# Altium PCB paste1.PcbDoc (part 1 of 3) (continued)
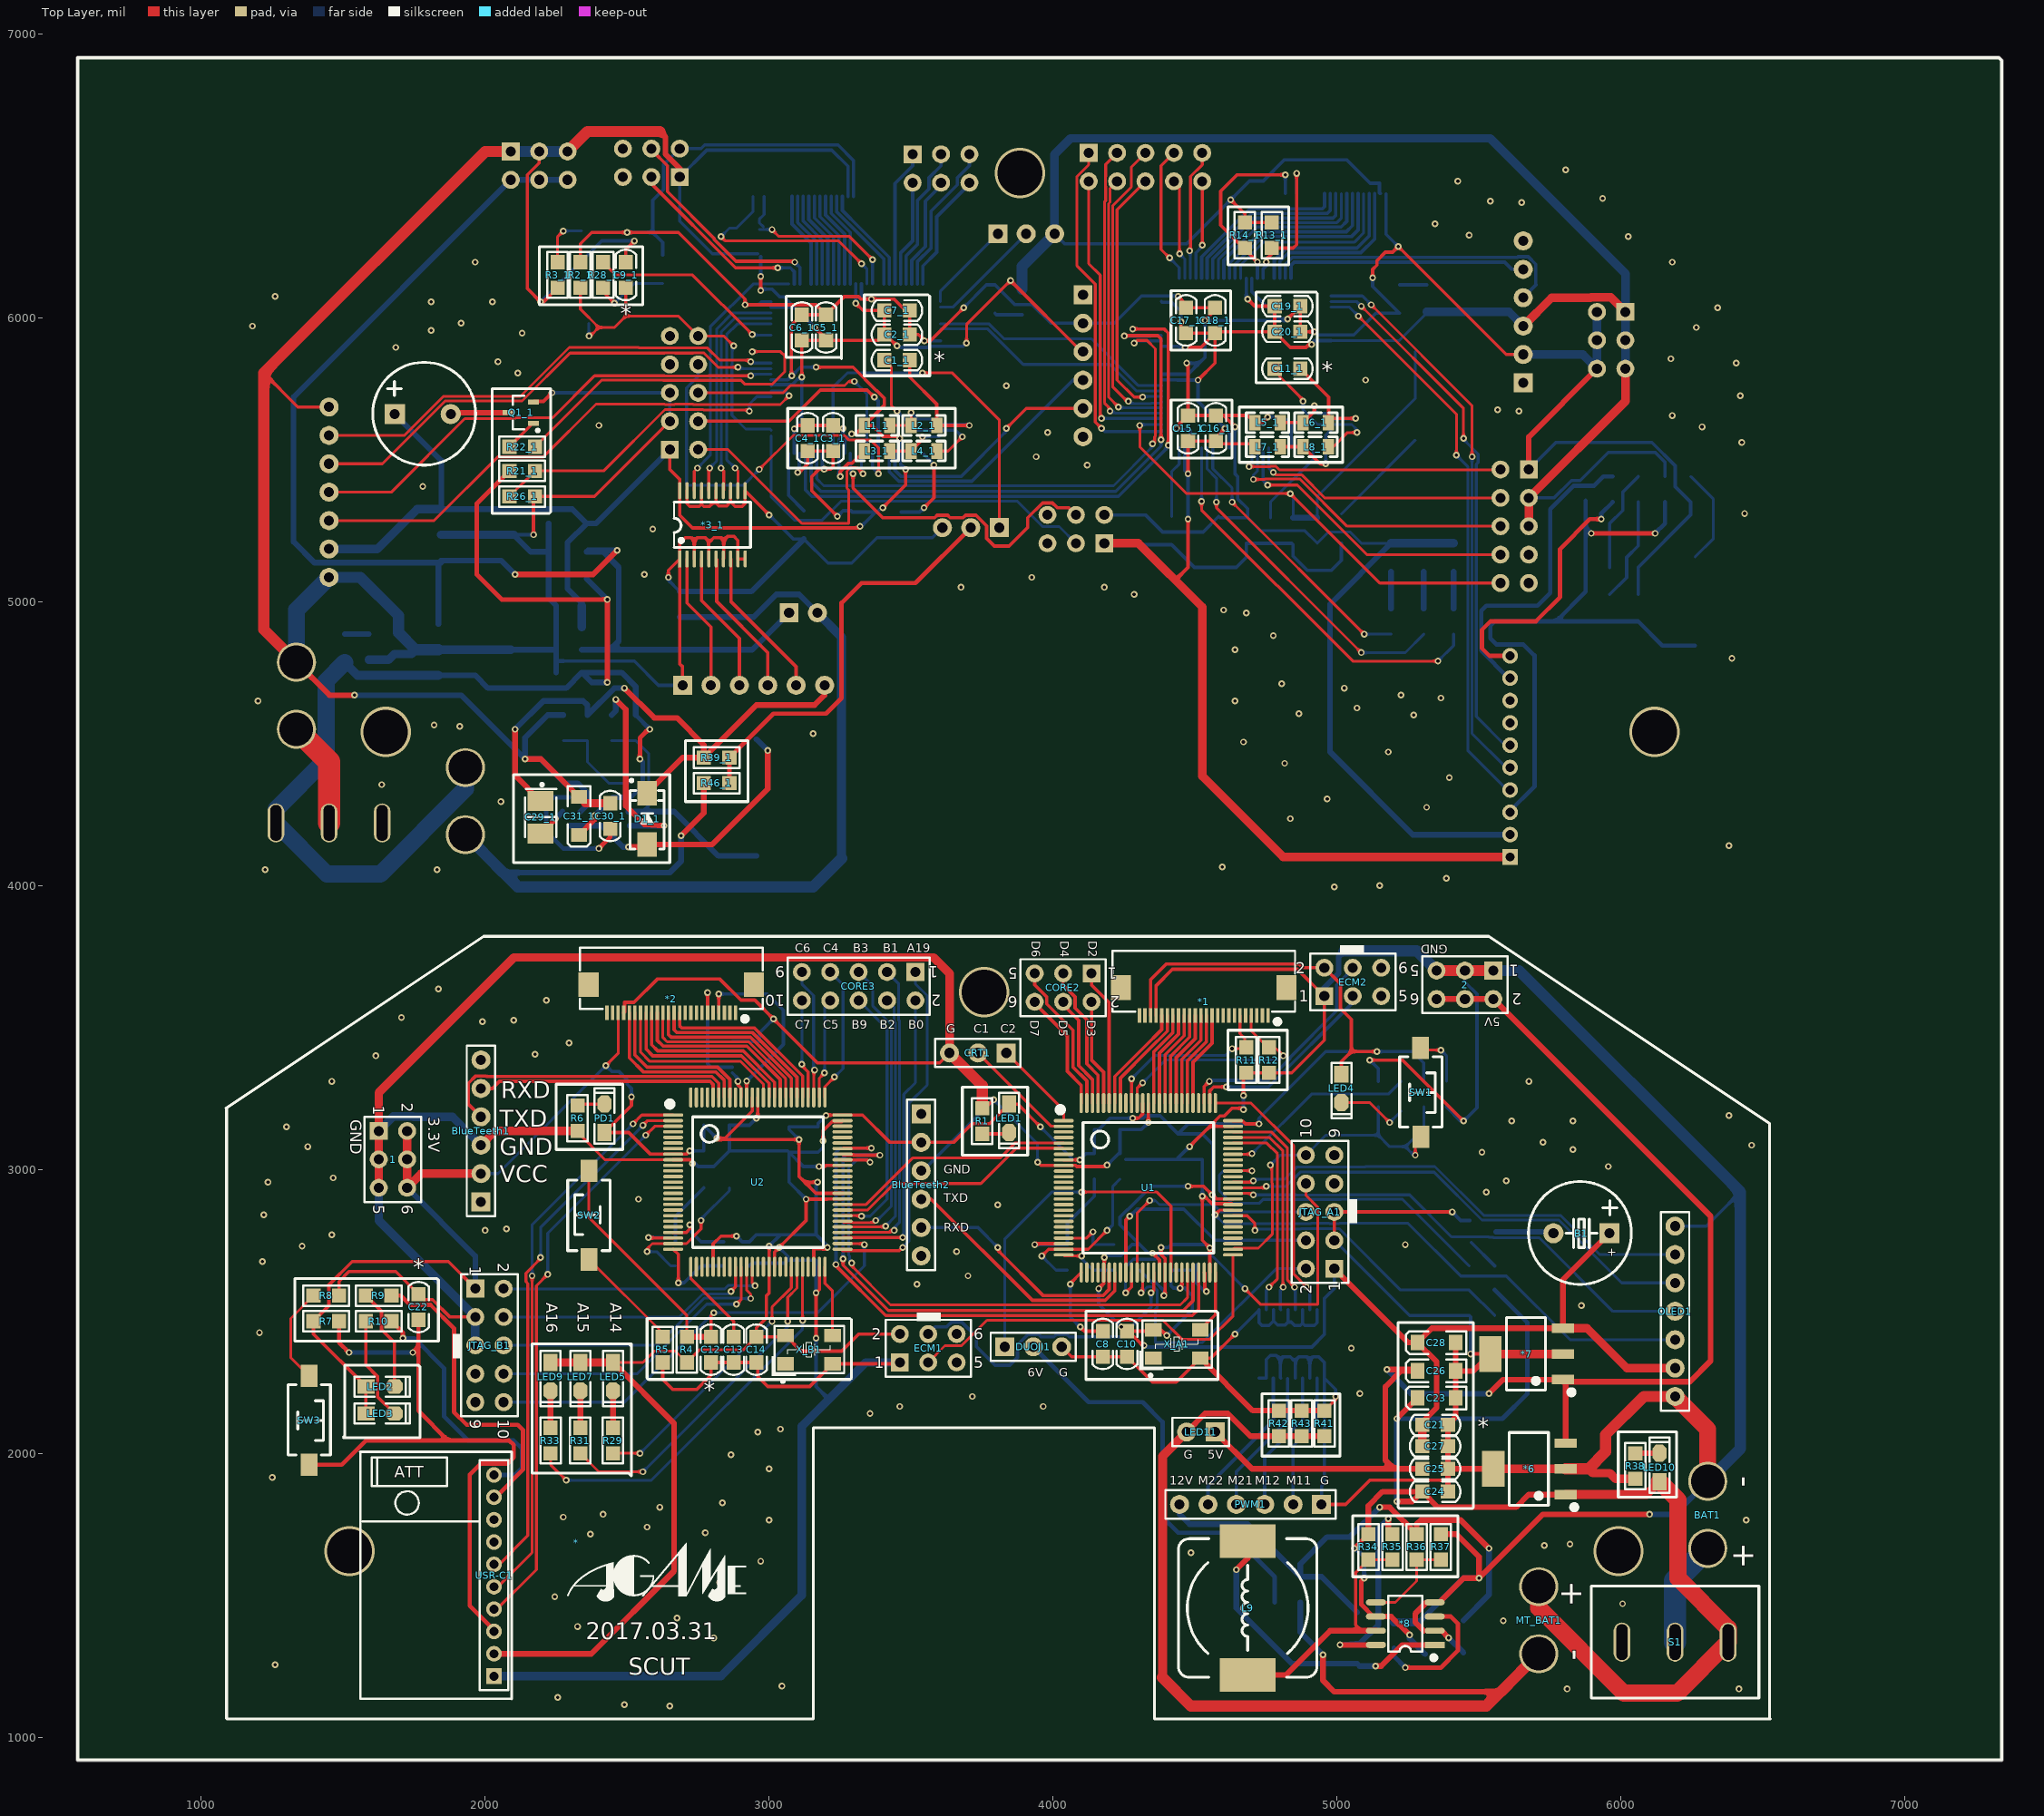
[diagram p0: Top Layer view]
## Components (designator, comment, footprint, x,y, rotation, side; value= is the part's Value field where it differs from the comment) (continued)
OLED1_1 "OLED 1.3-12864_7pin" HDR-1X7_M 1450,5085 r90 bottom (schematic designator OLED1)
PD1 "LED" "LED 0805R" 2420,3180 r90 top
PD1_1 "LED" "LED 0805R" 5220,6065 r90 bottom (schematic designator PD1)
PWM1 "HDR-1X6" HDR-1X6 4945,1820 r180 top
PWM1_1 "HDR-1X6" HDR-1X6 2695,4705 r0 bottom (schematic designator PWM1)
Q1 "SS8050" SOT23-3L 5515,2780 r90 bottom
Q1_1 "SS8050" SOT23-3L 2125,5665 r90 top (schematic designator Q1)
R1 "10K" "R 0805" 3750,3170 r90 top
R1_1 "10K" "R 0805" 3890,6055 r90 bottom (schematic designator R1)
R2 "4.7K" "R 0805" 5305,3265 r90 bottom
R2_1 "4.7K" "R 0805" 2335,6150 r90 top (schematic designator R2)
R3 "100R" "R 0805" 5385,3265 r90 bottom
R3_1 "100R" "R 0805" 2255,6150 r90 top (schematic designator R3)
R4 "4.7K" "R 0805" 2710,2365 r270 top
R4_1 "4.7K" "R 0805" 4930,5250 r270 bottom (schematic designator R4)
R5 "100R" "R 0805" 2625,2365 r90 top
R5_1 "100R" "R 0805" 5015,5250 r90 bottom (schematic designator R5)
R6 "10K" "R 0805" 2325,3180 r270 top
R6_1 "10K" "R 0805" 5315,6065 r270 bottom (schematic designator R6)
R7 "4.7K" "R 0805" 1440,2465 r180 top
R7_1 "4.7K" "R 0805" 6200,5350 r0 bottom (schematic designator R7)
R8 "100R" "R 0805" 1440,2555 r180 top
R8_1 "100R" "R 0805" 6200,5440 r0 bottom (schematic designator R8)
R9 "10K" "R 0805" 1625,2555 r0 top
R9_1 "10K" "R 0805" 6015,5440 r180 bottom (schematic designator R9)
R10 "10K" "R 0805" 1625,2465 r0 top
R10_1 "10K" "R 0805" 6015,5350 r180 bottom (schematic designator R10)
R11 "150R" "R 0805" 4680,3385 r90 top
R11_1 "150R" "R 0805" 2960,6270 r90 bottom (schematic designator R11)
R12 "150R" "R 0805" 4760,3385 r90 top
R12_1 "150R" "R 0805" 2880,6270 r90 bottom (schematic designator R12)
R13 "150R" "R 0805" 2870,3405 r270 bottom
R13_1 "150R" "R 0805" 4770,6290 r270 top (schematic designator R13)
R14 "150R" "R 0805" 2965,3405 r270 bottom
R14_1 "150R" "R 0805" 4675,6290 r270 top (schematic designator R14)
R21 "20K" "R 0805" 5510,2575 r180 bottom
R21_1 "20K" "R 0805" 2130,5460 r0 top (schematic designator R21)
R22 "1K" "R 0805" 5510,2660 r0 bottom
R22_1 "1K" "R 0805" 2130,5545 r180 top (schematic designator R22)
R26 "10K" "R 0805" 5510,2485 r0 bottom
R26_1 "10K" "R 0805" 2130,5370 r180 top (schematic designator R26)
R28 "10K" "R 0805" 5225,3265 r90 bottom
R28_1 "10K" "R 0805" 2415,6150 r90 top (schematic designator R28)
R29 "10K" "R 0805" 2450,2045 r270 top
R29_1 "10K" "R 0805" 5190,4930 r270 bottom (schematic designator R29)
R31 "10K" "R 0805" 2335,2045 r270 top
R31_1 "10K" "R 0805" 5305,4930 r270 bottom (schematic designator R31)
R33 "10K" "R 0805" 2230,2045 r270 top
R33_1 "10K" "R 0805" 5410,4930 r270 bottom (schematic designator R33)
R34 "Res2" "R 0805" 5110,1670 r90 top
R34_1 "Res2" "R 0805" 2530,4555 r90 bottom (schematic designator R34)
R35 "Res2" "R 0805" 5195,1670 r270 top
R35_1 "Res2" "R 0805" 2445,4555 r270 bottom (schematic designator R35)
R36 "Res2" "R 0805" 5280,1670 r270 top
R36_1 "Res2" "R 0805" 2360,4555 r270 bottom (schematic designator R36)
R37 "Res2" "R 0805" 5365,1670 r270 top
R37_1 "Res2" "R 0805" 2275,4555 r270 bottom (schematic designator R37)
R38 "10K" "R 0805" 6050,1955 r270 top
R38_1 "10K" "R 0805" 1590,4840 r270 bottom (schematic designator R38)
R39 "Res2" "R 0805" 4825,1565 r180 bottom
R39_1 "Res2" "R 0805" 2815,4450 r0 top (schematic designator R39)
R41 "Res2" "R 0805" 4955,2105 r270 top
R41_1 "Res2" "R 0805" 2685,4990 r270 bottom (schematic designator R41)
R42 "Res2" "R 0805" 4795,2105 r270 top
R42_1 "Res2" "R 0805" 2845,4990 r270 bottom (schematic designator R42)
R43 "Res2" "R 0805" 4875,2105 r270 top
R43_1 "Res2" "R 0805" 2765,4990 r270 bottom (schematic designator R43)
R46 "Res2" "R 0805" 4825,1475 r180 bottom
R46_1 "Res2" "R 0805" 2815,4360 r0 top (schematic designator R46)
S1 "SW-SPST" SW_P 6190,1335 r180 top
S1_1 "SW-SPST" SW_P 1450,4220 r0 bottom (schematic designator S1)
SW1 "3x6x5" "TSW SMD-3*6*2.5" 5295,3270 r270 top
SW1_1 "3x6x5" "TSW SMD-3*6*2.5" 2345,6155 r270 bottom (schematic designator SW1)
SW2 "3x6x5" "TSW SMD-3*6*2.5" 2365,2840 r90 top
SW2_1 "3x6x5" "TSW SMD-3*6*2.5" 5275,5725 r90 bottom (schematic designator SW2)
SW3 "3x6x5" "TSW SMD-3*6*2.5" 1380,2115 r270 top
SW3_1 "3x6x5" "TSW SMD-3*6*2.5" 6260,5000 r270 bottom (schematic designator SW3)
U1 "MK60DN512VLL10" "LQFP100 14x14_N" 4335,2935 r270 top
U1_1 "MK60DN512VLL10" "LQFP100 14x14_N" 3305,5820 r270 bottom (schematic designator U1)
U2 "MK60DN512VLL10" "LQFP100 14x14_N" 2960,2955 r270 top
U2_1 "MK60DN512VLL10" "LQFP100 14x14_N" 4680,5840 r270 bottom (schematic designator U2)
USR-C1 "USR-C215" DIP2.0*1-10-M 2030,1215 r0 top
USR-C1_1 "USR-C215" DIP2.0*1-10-M 5610,4100 r180 bottom (schematic designator USR-C1)
X_A1 "26M" XTAL-5032 4435,2385 r0 top
X_A1_1 "26M" XTAL-5032 3205,5270 r180 bottom (schematic designator X_A1)
X_B1 "50M" XTAL-5032 3140,2365 r0 top
X_B1_1 "50M" XTAL-5032 4500,5250 r180 bottom (schematic designator X_B1)

## Footprints (in the part's own frame and the unit in brackets; to place one, negate y for a bottom-side part, rotate by r counter-clockwise, add the part's x,y. Pads: shape width x height; smd on the part's side, far side on the other; paste and mask are expansions set on the pad)
"BEEP 5x9x5.5" [mm] "5*9*5.5mm(脚距,直径,高度)"
  rect 1.8x1.8 hole 0.9: 1(0,-2.5)
  round 1.8 hole 0.9: 2(0,2.5)
  silkscreen extent -4.57,-4.47 4.62,4.73, body extent -4.5,-4.5 4.5,4.5, height 5.45
"C 0805" [mil] "无极性贴片电容"
  rect 50x50 smd: 1(-45,0) 2(45,0)
  silkscreen extent -89,-36 89,36, body extent -39,-24 39,24, height 20
"CD A(3216)" [mm] "长3.2mm，宽1.6mm，厚1.6mm"
  rect 1.2x1.4 smd: 1(-1.7,0) 2(1.7,0)
  silkscreen extent -2.74,-1.02 2.67,1.02, body extent -1.6,-0.8 1.6,0.8, height 1.6
CDRH125 [mm] "12*12*5mm（长宽高）"
  rect 3x5 smd: 1(-6,0) 2(6,0)
  silkscreen extent -6.2,-6.2 6.2,6.2, body extent -6,-6 6,6, height 5.05
DIP2.0*1-10-M [mil]
  rect 55x55 hole 31.5: 1(1,0)
  round 55 hole 31.5: 2(1,78.74) 3(1,157.48) 4(1,236.22) 5(1,314.96) 6(1,393.7) 7(1,472.44) 8(1,551.18) 9(1,629.92) 10(1,708.66)
  silkscreen extent -470,-80 63,790
"FPC0.5 2H-S-W-24P" [mm] "长：16.2mm，宽：5.2mm，高：2mm"
  rect 1.8x2.2 smd: 0(-7.4,0) 0(7.4,0)
  rect 0.3x1.3 smd: 1(-5.75,2.497) 2(-5.25,2.497) 3(-4.75,2.497) 4(-4.25,2.497) 5(-3.75,2.497) 6(-3.25,2.497) 7(-2.75,2.497) 8(-2.25,2.497) 9(-1.75,2.497) 10(-1.25,2.497) 11(-0.75,2.497) 12(-0.25,2.497) 13(0.25,2.497) 14(0.75,2.497) 15(1.25,2.497) 16(1.75,2.497) 17(2.25,2.497) 18(2.75,2.497) 19(3.25,2.497) 20(3.75,2.497) 21(4.25,2.497) 22(4.75,2.497) 23(5.25,2.497) 24(5.75,2.497)
  silkscreen extent -8.17,-3.3 8.17,3.23, body extent -8.1,-3.15 8.1,2.85, height 2
HDR-1X2 [mm] "排针，2脚"
  rect 1.7x1.7 hole 0.9: 1(0,0)
  round 1.7 hole 0.9: 2(2.54,0)
  silkscreen extent -1.27,-1.27 3.81,1.27, body extent -1.27,-1.27 3.81,1.27, height 8.5
HDR-1X3 [mm] "排针，3脚"
  rect 1.7x1.7 hole 0.9: 1(0,0)
  round 1.7 hole 0.9: 2(2.54,0) 3(5.08,0)
  silkscreen extent -1.27,-1.27 6.35,1.27, body extent -1.27,-1.27 6.35,1.27, height 8.5
HDR-1X6 [mm] "排针，6脚"
  rect 1.7x1.7 hole 0.9: 1(0,0)
  round 1.7 hole 0.9: 2(2.54,0) 3(5.08,0) 4(7.62,0) 5(10.16,0) 6(12.7,0)
  silkscreen extent -1.27,-1.27 13.97,1.27, body extent -1.27,-1.27 13.97,1.27, height 8.5
HDR-1X6_M [mm] "排母，6脚"
  rect 1.7x1.7 hole 0.9: 1(0,0)
  round 1.7 hole 0.9: 2(2.54,0) 3(5.08,0) 4(7.62,0) 5(10.16,0) 6(12.7,0)
  silkscreen extent -1.27,-1.27 13.97,1.27, body extent -1.27,-1.27 13.97,1.27, height 8.5
HDR-1X7_M [mm] "排母，7脚"
  round 1.7 hole 0.9: 1(0,0) 2(2.54,0) 3(5.08,0) 4(7.62,0) 5(10.16,0) 6(12.7,0) 7(15.24,0)
  silkscreen extent -1.27,-1.27 16.51,1.27, body extent -1.27,-1.27 16.51,1.27, height 8.5
HDR-3X2 [mm] "双排排针，3x2脚"
  rect 1.6x1.6 hole 0.9: 1(0,0)
  round 1.6 hole 0.9: 2(0,2.54) 3(2.54,0) 4(2.54,2.54) 5(5.08,0) 6(5.08,2.54)
  silkscreen extent -1.27,-1.27 6.35,3.81, body extent -1.27,-1.27 6.35,3.81, height 8.5
HDR-5X2 [mm] "双排排针，5x2脚"
  rect 1.6x1.6 hole 0.9: 1(0,0)
  round 1.6 hole 0.9: 2(0,2.54) 3(2.54,0) 4(2.54,2.54) 5(5.08,0) 6(5.08,2.54) 7(7.62,0) 8(7.62,2.54) 9(10.16,0) 10(10.16,2.54)
  silkscreen extent -1.27,-1.27 11.43,3.81, body extent -1.27,-1.27 11.43,3.81, height 8.5
"L 0805" [mil] "小功率贴片电感"
  rect 40x55 smd: 1(-45,0) 2(45,0)
  silkscreen extent -75,-35 75,35, body extent -39,-24 39,24, height 35
"LED 0805B" [mil] "蓝色0805LED"
  rect 60x50 smd: 1(-50,0)
  oct 60x50 smd: 2(50,0)
  silkscreen extent -90,-35 105,35, body extent -39,-25 39,25, height 32
"LED 0805R" [mil] "红色0805LED"
  rect 60x50 smd: 1(-50,0)
  oct 60x50 smd: 2(50,0)
  silkscreen extent -90,-35 105,35, body extent -39,-25 39,25, height 32
Logo_0.15 [mil]
  silkscreen extent -31,-205 598,0
"LQFP100 14x14_N" [mm] "100脚，体宽14x14mm，脚距0.5mm"
  oval 0.3x1.8 smd: 1(-6,-7.575) 2(-5.5,-7.575) 3(-5,-7.575) 4(-4.5,-7.575) 5(-4,-7.575) 6(-3.5,-7.575) 7(-3,-7.575) 8(-2.5,-7.575) 9(-2,-7.575) 10(-1.5,-7.575) 11(-1,-7.575) 12(-0.5,-7.575) 13(0,-7.575) 14(0.5,-7.575) 15(1,-7.575) 16(1.5,-7.575) 17(2,-7.575) 18(2.5,-7.575) 19(3,-7.575) 20(3.5,-7.575) 21(4,-7.575) 22(4.5,-7.575) 23(5,-7.575) 24(5.5,-7.575) 25(6,-7.575) 51(6,7.575) 52(5.5,7.575) 53(5,7.575) 54(4.5,7.575) 55(4,7.575) 56(3.5,7.575) 57(3,7.575) 58(2.5,7.575) 59(2,7.575) 60(1.5,7.575) 61(1,7.575) 62(0.5,7.575) 63(0,7.575) 64(-0.5,7.575) 65(-1,7.575) 66(-1.5,7.575) 67(-2,7.575) 68(-2.5,7.575) 69(-3,7.575) 70(-3.5,7.575) 71(-4,7.575) 72(-4.5,7.575) 73(-5,7.575) 74(-5.5,7.575) 75(-6,7.575)
  oval 1.8x0.3 smd: 26(7.576,-6) 27(7.576,-5.5) 28(7.576,-5) 29(7.576,-4.5) 30(7.576,-4) 31(7.576,-3.5) 32(7.576,-3) 33(7.576,-2.5) 34(7.576,-2) 35(7.576,-1.5) 36(7.576,-1) 37(7.576,-0.5) 38(7.576,0) 39(7.576,0.5) 40(7.576,1) 41(7.576,1.5) 42(7.576,2) 43(7.576,2.5) 44(7.576,3) 45(7.576,3.5) 46(7.576,4) 47(7.576,4.5) 48(7.576,5) 49(7.576,5.5) 50(7.576,6) 76(-7.575,6) 77(-7.575,5.5) 78(-7.575,5) 79(-7.575,4.5) 80(-7.575,4) 81(-7.575,3.5) 82(-7.575,3) 83(-7.575,2.5) 84(-7.575,2) 85(-7.575,1.5) 86(-7.575,1) 87(-7.575,0.5) 88(-7.575,0) 89(-7.575,-0.5) 90(-7.575,-1) 91(-7.575,-1.5) 92(-7.575,-2) 93(-7.575,-2.5) 94(-7.575,-3) 95(-7.575,-3.5) 96(-7.575,-4) 97(-7.575,-4.5) 98(-7.575,-5) 99(-7.575,-5.5) 100(-7.575,-6)
  silkscreen extent -7.23,-8.12 5.84,5.84, body extent -8,-8 8,8, height 1.45
POWER [mm]
  round 3.5 hole 3: 1(0,0) 2(6,0)
"R 0805" [mil] "1/8W贴片电阻"
  rect 50x50 smd: 1(-45,0) 2(45,0)
  silkscreen extent -81,-36 81,36, body extent -39,-25 39,25, height 20
SMA [mm] "4.5x2.6*2.2mm（长宽高，不包括引脚）"
  rect 2.2x1.75 smd: 1(-2.3,0) 2(2.3,0)
  silkscreen extent -2.7,-1.52 3.56,1.52, body extent -2.53,-1.3 2.57,1.3, height 2.15
SOP8_N [mm] "5*6*1.8mm（长宽高）"
  rect 1.8x0.55 smd: 1(-2.625,1.905)
  oval 1.8x0.55 smd: 2(-2.625,0.635) 3(-2.625,-0.635) 4(-2.625,-1.905) 5(2.625,-1.905) 6(2.625,-0.635) 7(2.625,0.635) 8(2.625,1.905)
  silkscreen extent -2.69,-2.5 1.52,3.2, body extent -3,-2.5 3,2.5, height 1.9
SOT23-3L [mm] "3x1.3x1mm(长宽高)"
  rect 0.45x1 smd: 1(-0.95,-1.143) 2(0.95,-1.143) 3(0,1.125)
  silkscreen extent -1.72,-1.65 1.5,0.7, body extent -1.5,-1.2 1.5,1.2, height 1.05
SOT223_N [mm] "6.4x7x1.6mm(长宽高)"
  rect 0.85x2 smd: 1(-2.3,-3.302) 2(0,-3.302) 3(2.3,-3.302)
  rect 3.2x2 smd: 2(0,3.175)
  silkscreen extent -3.63,-4.26 3.25,1.75, body extent -3.25,-3.51 3.25,3.51, height 1.65
SW_P [mm]
  oval 1.5x3.5 hole 1 slot 3.2 at 90 deg: 1(-4.75,0) 2(0,0) 3(4.75,0)
  silkscreen extent -7.5,-5 7.5,5
TSSOP-20 [mil]
  rect 60x12 smd: 1(0,0)
  oval 60x12 smd: 2(0,-25.59) 3(0,-51.18) 4(0,-76.77) 5(0,-102.36) 6(0,-127.95) 7(0,-153.54) 8(0,-179.13) 9(0,-204.72) 10(0,-230.31) 11(240.16,-230.31) 12(240.16,-204.72) 13(240.16,-179.13) 14(240.16,-153.54) 15(240.16,-127.95) 16(240.16,-102.36) 17(240.16,-76.77) 18(240.16,-51.18) 19(240.16,-25.59) 20(240.16,0)
  silkscreen extent 40,-249 200,20, body extent 6,-254 234,24, height 79
"TSW SMD-3*6*2.5" [mm] "3*6*2.5mm"
  rect 2x1.5 smd: 1(-3.996,-0.02) 2(3.937,0)
  silkscreen extent -3.21,-1.9 3.09,1.9, body extent -4,-1.88 4,1.62, height 2.59
XTAL-5032 [mm]
  rect 1.5x1.2 smd: 1(-2.108,-1.27) 2(2.108,-1.27) 3(2.108,1.27) 4(-2.108,1.27)
  silkscreen extent -3.35,-2.95 3.15,2.11, body extent -2.5,-1.6 2.5,1.6, height 1
钽电容B型3528 [mm]
  rect 1.8x2.3 smd: 1(-1.577,-0.127) 2(1.323,-0.127)
  silkscreen extent -3.17,-1.52 1.65,1.27, body extent -1.98,-1.59 1.72,1.34, height 2.03

## Part data
1 1_1 2 2_1 CORE2 CORE2_1 ECM1 ECM1_1 ECM2 ECM2_1: library part "Header 3X2", "3*2P接插件"
*7 *7_1: library part LM2940
B1 B1_1: library part BEEP, "蜂鸣器"
BAT1 BAT1_1 MT_BAT1 MT_BAT1_1: "Header, 2-Pin"
BlueTeeth1 BlueTeeth1_1 BlueTeeth2 BlueTeeth2_1 PWM1 PWM1_1: library part "Header 6", "6P接插件"
C1 C1_1 C2 C2_1 C3 C3_1 C4 C4_1 C5 C5_1 C6 C6_1 C7 C7_1 C8 C8_1 C9 C9_1 C11 C11_1 C12 C12_1 C13 C13_1 C15 C15_1 C16 C16_1 C17 C17_1 C18 C18_1 C19 C19_1 C20 C20_1 C21 C21_1 C22 C22_1: library part CAP, "Capacitor"
C10 C10_1 C14 C14_1: library part C, "无极性贴片电容"
C23 C23_1 C26 C26_1 C28 C28_1 C30 C30_1: "Capacitor"
C24 C24_1 C25 C25_1 C27 C27_1: library part Cap, "Capacitor"
C29 C29_1 C31 C31_1: "Polarized Capacitor (Radial)"
CORE3 CORE3_1 JTAG_A1 JTAG_A1_1 JTAG_B1 JTAG_B1_1: "5*2P接插件"
CRT1 CRT1_1 DUOJI1 DUOJI1_1: library part "Header 3", "3P接插件"
D1 D1_1: library part Diode, "Default Diode"
L1 L1_1 L2 L2_1 L3 L3_1 L4 L4_1 L5 L5_1 L6 L6_1 L7 L7_1 L8 L8_1: library part Inductor, "Inductor"
LED1 LED1_1 LED2 LED2_1 LED3 LED3_1 LED4 LED4_1 LED5 LED5_1 LED7 LED7_1 LED9 LED9_1 LED10 LED10_1: library part LED-SMD, "贴片LED"
LED11 LED11_1: library part "Header 2", "2P接插件"
OLED1 OLED1_1: "12864 点阵屏"
Q1 Q1_1: library part 8050-SMD, "高频放大-NPN型"
R1 R1_1 R2 R2_1 R3 R3_1 R4 R4_1 R5 R5_1 R6 R6_1 R7 R7_1 R8 R8_1 R9 R9_1 R10 R10_1 R11 R11_1 R12 R12_1 R13 R13_1 R14 R14_1 R21 R21_1 R22 R22_1 R26 R26_1 R28 R28_1 R29 R29_1 R31 R31_1 R33 R33_1 R38 R38_1: library part Res2, "Resistor"
R34 R34_1 R35 R35_1 R36 R36_1 R37 R37_1 R39 R39_1 R41 R41_1 R42 R42_1 R43 R43_1 R46 R46_1: "Resistor"
S1 S1_1: "Single-Pole, Single-Throw Switch"
SW1 SW1_1 SW2 SW2_1 SW3 SW3_1: library part "TSW 3x6", "3x6轻触开关"
U1 U1_1 U2 U2_1: library part MK60DN512ZVLQ10, "MK60DN512ZVLL10"
USR-C1 USR-C1_1: "串口转WIFI"
X_A1 X_A1_1 X_B1 X_B1_1: library part XTAL-4, "4脚晶振"

## Via types
v1: diameter 23.62, hole 11.81, Top Layer to Bottom Layer, tented both sides, 456 vias
v2: diameter 177.17, hole 157.48, Top Layer to Bottom Layer, tented both sides, 6 vias

## Nets (pads, with @x,y where several pads share a name; then routed paths per layer and width w, separated by ;. In a path a pad name is that pad's centre, name@x,y a point inside that pad or via, vN(x,y) a via of type N, cw(c..) or ccw(c..) an arc to the next point about the centre after c; other vN are vias at no path point)
pads on no net: 1.1 1.2 1.3 1.4 1.5 1.6 1_1.1 1_1.2 1_1.3 1_1.4 1_1.5 1_1.6 2.1 2.2 2.3 2.4 2.5 2.6 2_1.1 2_1.2 2_1.3 2_1.4 2_1.5 2_1.6 *1.0 *1.1 *1.2 *1.3 *1.4 *1.5 *1.6 *1.7 *1.8 *1.9 *1.10 *1.11 *1.12 *1.13 *1.14 *1.15 *1.16 *1.17 *1.18 *1.19 *1.20 *1.21 *1.22 *1.23 *1.24 *1_1.0 *1_1.1 *1_1.2 *1_1.3 *1_1.4 *1_1.5 *1_1.6 *1_1.7 *1_1.8 *1_1.9 *1_1.10 *1_1.11 *1_1.12 *1_1.13 *1_1.14 *1_1.15 *1_1.16 *1_1.17 *1_1.18 *1_1.19 *1_1.20 *1_1.21 *1_1.22 *1_1.23 *1_1.24 *2.0 *2.1 *2.2 *2.3 *2.4 *2.5 *2.6 *2.7 *2.8 *2.9 *2.10 *2.11 *2.12 *2.13 *2.14 *2.15 *2.16 *2.17 *2.18 *2.19 *2.20 *2.21 *2.22 *2.23 *2.24 *2_1.0 *2_1.1 *2_1.2 *2_1.3 *2_1.4 *2_1.5 *2_1.6 *2_1.7 *2_1.8 *2_1.9 *2_1.10 *2_1.11 *2_1.12 *2_1.13 *2_1.14 *2_1.15 *2_1.16 *2_1.17 *2_1.18 *2_1.19 *2_1.20 *2_1.21 *2_1.22 *2_1.23 *2_1.24 *3.1 *3.2 *3.3 *3.4 *3.5 *3.6 *3.7 *3.8 *3.9 *3.10 *3.11 *3.12 *3.13 *3.14 *3.15 *3.16 *3.17 *3.18 *3.19 *3.20 *3_1.1 *3_1.2 *3_1.3 *3_1.4 *3_1.5 *3_1.6 *3_1.7 *3_1.8 *3_1.9 *3_1.10 *3_1.11 *3_1.12 *3_1.13 *3_1.14 *3_1.15 *3_1.16 *3_1.17 *3_1.18 *3_1.19 *3_1.20 *6.1 *6.2 *6.3 *6_1.1 *6_1.2 *6_1.3 *7.1 *7.2 *7.3 *7_1.1 *7_1.2 *7_1.3 *8.1 *8.2 *8.3 *8.4 *8.5 *8.6 *8.7 *8.8 *8_1.1 *8_1.2 *8_1.3 *8_1.4 *8_1.5 *8_1.6 *8_1.7 *8_1.8 B1.1 B1.2 B1_1.1 B1_1.2 BAT1.1 BAT1.2 BAT1_1.1 BAT1_1.2 BlueTeeth1.1 BlueTeeth1.2 BlueTeeth1.3 BlueTeeth1.4 BlueTeeth1.5 BlueTeeth1.6 BlueTeeth1_1.1 BlueTeeth1_1.2 BlueTeeth1_1.3 BlueTeeth1_1.4 BlueTeeth1_1.5 BlueTeeth1_1.6 BlueTeeth2.1 BlueTeeth2.2 BlueTeeth2.3 BlueTeeth2.4 BlueTeeth2.5 BlueTeeth2.6 BlueTeeth2_1.1 BlueTeeth2_1.2 BlueTeeth2_1.3 BlueTeeth2_1.4 BlueTeeth2_1.5 BlueTeeth2_1.6 C1.1 C1.2 C1_1.1 C1_1.2 C2.1 C2.2 C2_1.1 C2_1.2 C3.1 C3.2 C3_1.1 C3_1.2 C4.1 C4.2 C4_1.1 C4_1.2 C5.1 C5.2 C5_1.1 C5_1.2 C6.1 C6.2 C6_1.1 C6_1.2 C7.1 C7.2 C7_1.1 C7_1.2 C8.1 C8.2 C8_1.1 C8_1.2 C9.1 C9.2 C9_1.1 C9_1.2 C10.1 C10.2 C10_1.1 C10_1.2 C11.1 C11.2 C11_1.1 C11_1.2 C12.1 C12.2 C12_1.1 C12_1.2 C13.1 C13.2 C13_1.1 C13_1.2 C14.1 C14.2 C14_1.1 C14_1.2 C15.1 C15.2 C15_1.1 C15_1.2 C16.1 C16.2 C16_1.1 C16_1.2 C17.1 C17.2 C17_1.1 C17_1.2 C18.1 C18.2 C18_1.1 C18_1.2 C19.1 C19.2 C19_1.1 C19_1.2 C20.1 C20.2 C20_1.1 C20_1.2 C21.1 C21.2 C21_1.1 C21_1.2 C22.1 C22.2 C22_1.1 C22_1.2 C23.1 C23.2 C23_1.1 C23_1.2 C24.1 C24.2 C24_1.1 C24_1.2 C25.1 C25.2 C25_1.1 C25_1.2 C26.1 C26.2 C26_1.1 C26_1.2 C27.1 C27.2 C27_1.1 C27_1.2 C28.1 C28.2 C28_1.1 C28_1.2 C29.1 C29.2 C29_1.1 C29_1.2 C30.1 C30.2 C30_1.1 C30_1.2 C31.1 C31.2 C31_1.1 C31_1.2 CORE2.1 CORE2.2 CORE2.3 CORE2.4 CORE2.5 CORE2.6 CORE2_1.1 CORE2_1.2 CORE2_1.3 CORE2_1.4 CORE2_1.5 CORE2_1.6 CORE3.1 CORE3.2 CORE3.3 CORE3.4 CORE3.5 CORE3.6 CORE3.7 CORE3.8 CORE3.9 CORE3.10 CORE3_1.1 CORE3_1.2 CORE3_1.3 CORE3_1.4 CORE3_1.5 CORE3_1.6 CORE3_1.7 CORE3_1.8 CORE3_1.9 CORE3_1.10 CRT1.1 CRT1.2 CRT1.3 CRT1_1.1 CRT1_1.2 CRT1_1.3 D1.1 D1.2 D1_1.1 D1_1.2 DUOJI1.1 DUOJI1.2 DUOJI1.3 DUOJI1_1.1 DUOJI1_1.2 DUOJI1_1.3 ECM1.1 ECM1.2 ECM1.3 ECM1.4 ECM1.5 ECM1.6 ECM1_1.1 ECM1_1.2 ECM1_1.3 ECM1_1.4 ECM1_1.5 ECM1_1.6 ECM2.1 ECM2.2 ECM2.3 ECM2.4 ECM2.5 ECM2.6 ECM2_1.1 ECM2_1.2 ECM2_1.3 ECM2_1.4 ECM2_1.5 ECM2_1.6 JTAG_A1.1 JTAG_A1.2 JTAG_A1.3 JTAG_A1.4 JTAG_A1.5 JTAG_A1.6 JTAG_A1.7 JTAG_A1.8 JTAG_A1.9 JTAG_A1.10 JTAG_A1_1.1 JTAG_A1_1.2 JTAG_A1_1.3 JTAG_A1_1.4 JTAG_A1_1.5 JTAG_A1_1.6 JTAG_A1_1.7 JTAG_A1_1.8 JTAG_A1_1.9 JTAG_A1_1.10 JTAG_B1.1 JTAG_B1.2 JTAG_B1.3 JTAG_B1.4 JTAG_B1.5 JTAG_B1.6 JTAG_B1.7 JTAG_B1.8 JTAG_B1.9 JTAG_B1.10 JTAG_B1_1.1 JTAG_B1_1.2 JTAG_B1_1.3 JTAG_B1_1.4 JTAG_B1_1.5 JTAG_B1_1.6 JTAG_B1_1.7 JTAG_B1_1.8 JTAG_B1_1.9 JTAG_B1_1.10 L1.1 L1.2 L1_1.1 L1_1.2 L2.1 L2.2 L2_1.1 L2_1.2 L3.1 L3.2 L3_1.1 L3_1.2 L4.1 L4.2 L4_1.1 L4_1.2 L5.1 L5.2 L5_1.1 L5_1.2 L6.1 L6.2 L6_1.1 L6_1.2 L7.1 L7.2 L7_1.1 L7_1.2 L8.1 L8.2 L8_1.1 L8_1.2 L9.1 L9.2 L9_1.1 L9_1.2 LED1.1 LED1.2 LED1_1.1 LED1_1.2 LED2.1 LED2.2 LED2_1.1 LED2_1.2 LED3.1 LED3.2 LED3_1.1 LED3_1.2 LED4.1 LED4.2 LED4_1.1 LED4_1.2 LED5.1 LED5.2 LED5_1.1 LED5_1.2 LED7.1 LED7.2 LED7_1.1 LED7_1.2 LED9.1 LED9.2 LED9_1.1 LED9_1.2 LED10.1 LED10.2 LED10_1.1 LED10_1.2 LED11.1 LED11.2 LED11_1.1 LED11_1.2 MT_BAT1.1 MT_BAT1.2 MT_BAT1_1.1 MT_BAT1_1.2 OLED1.1 OLED1.2 OLED1.3 OLED1.4 OLED1.5 OLED1.6 OLED1.7 OLED1_1.1 OLED1_1.2 OLED1_1.3 OLED1_1.4 OLED1_1.5 OLED1_1.6 OLED1_1.7 PD1.1 PD1.2 PD1_1.1 PD1_1.2 PWM1.1 PWM1.2 PWM1.3 PWM1.4 PWM1.5 PWM1.6 PWM1_1.1 PWM1_1.2 PWM1_1.3 PWM1_1.4 PWM1_1.5 PWM1_1.6 Q1.1 Q1.2 Q1.3 Q1_1.1 Q1_1.2 Q1_1.3 R1.1 R1.2 R1_1.1 R1_1.2 R2.1 R2.2 R2_1.1 R2_1.2 R3.1 R3.2 R3_1.1 R3_1.2 R4.1 R4.2 R4_1.1 R4_1.2 R5.1 R5.2 R5_1.1 R5_1.2 R6.1 R6.2 R6_1.1 R6_1.2 R7.1 R7.2 R7_1.1 R7_1.2 R8.1 R8.2 R8_1.1 R8_1.2 R9.1 R9.2 R9_1.1 R9_1.2 R10.1 R10.2 R10_1.1 R10_1.2 R11.1 R11.2 R11_1.1 R11_1.2 R12.1 R12.2 R12_1.1 R12_1.2 R13.1 R13.2 R13_1.1 R13_1.2 R14.1 R14.2 R14_1.1 R14_1.2 R21.1 R21.2 R21_1.1 R21_1.2 R22.1 R22.2 R22_1.1 R22_1.2 R26.1 R26.2 R26_1.1 R26_1.2 R28.1 R28.2 R28_1.1 R28_1.2 R29.1 R29.2 R29_1.1 R29_1.2 R31.1 R31.2 R31_1.1 R31_1.2 R33.1 R33.2 R33_1.1 R33_1.2 R34.1 R34.2 R34_1.1 R34_1.2 R35.1 R35.2 R35_1.1 R35_1.2 R36.1 R36.2 R36_1.1 R36_1.2 R37.1 R37.2 R37_1.1 R37_1.2 R38.1 R38.2 R38_1.1 R38_1.2 R39.1 R39.2 R39_1.1 R39_1.2 R41.1 R41.2 R41_1.1 R41_1.2 R42.1 R42.2 R42_1.1 R42_1.2 R43.1 R43.2 R43_1.1 R43_1.2 R46.1 R46.2 R46_1.1 R46_1.2 S1.1 S1.2 S1.3 S1_1.1 S1_1.2 S1_1.3 SW1.1 SW1.2 SW1_1.1 SW1_1.2 SW2.1 SW2.2 SW2_1.1 SW2_1.2 SW3.1 SW3.2 SW3_1.1 SW3_1.2 U1.1 U1.2 U1.3 U1.4 U1.5 U1.6 U1.7 U1.8 U1.9 U1.10 U1.11 U1.12 U1.13 U1.14 U1.15 U1.16 U1.17 U1.18 U1.19 U1.20 U1.21 U1.22 U1.23 U1.24 U1.25 U1.26 U1.27 U1.28 U1.29 U1.30 U1.31 U1.32 U1.33 U1.34 U1.35 U1.36 U1.37 U1.38 U1.39 U1.40 U1.41 U1.42 U1.43 U1.44 U1.45 U1.46 U1.47 U1.48 U1.49 U1.50 U1.51 U1.52 U1.53 U1.54 U1.55 U1.56 U1.57 U1.58 U1.59 U1.60 U1.61 U1.62 U1.63 U1.64 U1.65 U1.66 U1.67 U1.68 U1.69 U1.70 U1.71 U1.72 U1.73 U1.74 U1.75 U1.76 U1.77 U1.78 U1.79 U1.80 U1.81 U1.82 U1.83 U1.84 U1.85 U1.86 U1.87 U1.88 U1.89 U1.90 U1.91 U1.92 U1.93 U1.94 U1.95 U1.96 U1.97 U1.98 U1.99 U1.100 U1_1.1 U1_1.2 U1_1.3 U1_1.4 U1_1.5 U1_1.6 U1_1.7 U1_1.8 U1_1.9 U1_1.10 U1_1.11 U1_1.12 U1_1.13 U1_1.14 U1_1.15 U1_1.16 U1_1.17 U1_1.18 U1_1.19 U1_1.20 U1_1.21 U1_1.22 U1_1.23 U1_1.24 U1_1.25 U1_1.26 U1_1.27 U1_1.28 U1_1.29 U1_1.30 U1_1.31 U1_1.32 U1_1.33 U1_1.34 U1_1.35 U1_1.36 U1_1.37 U1_1.38 U1_1.39 U1_1.40 U1_1.41 U1_1.42 U1_1.43 U1_1.44 U1_1.45 U1_1.46 U1_1.47 U1_1.48 U1_1.49 U1_1.50 U1_1.51 U1_1.52 U1_1.53 U1_1.54 U1_1.55 U1_1.56 U1_1.57 U1_1.58 U1_1.59 U1_1.60 U1_1.61 U1_1.62 U1_1.63 U1_1.64 U1_1.65 U1_1.66 U1_1.67 U1_1.68 U1_1.69 U1_1.70 U1_1.71 U1_1.72 U1_1.73 U1_1.74 U1_1.75 U1_1.76 U1_1.77 U1_1.78 U1_1.79 U1_1.80 U1_1.81 U1_1.82 U1_1.83 U1_1.84 U1_1.85 U1_1.86 U1_1.87 U1_1.88 U1_1.89 U1_1.90 U1_1.91 U1_1.92 U1_1.93 U1_1.94 U1_1.95 U1_1.96 U1_1.97 U1_1.98 U1_1.99 U1_1.100 U2.1 U2.2 U2.3 U2.4 U2.5 U2.6 U2.7 U2.8 U2.9 U2.10 U2.11 U2.12 U2.13 U2.14 U2.15 U2.16 U2.17 U2.18 U2.19 U2.20 U2.21 U2.22 U2.23 U2.24 U2.25 U2.26 U2.27 U2.28 U2.29 U2.30 U2.31 U2.32 U2.33 U2.34 U2.35 U2.36 U2.37 U2.38 U2.39 U2.40 U2.41 U2.42 U2.43 U2.44 U2.45 U2.46 U2.47 U2.48 U2.49 U2.50 U2.51 U2.52 U2.53 U2.54 U2.55 U2.56 U2.57 U2.58 U2.59 U2.60 U2.61 U2.62 U2.63 U2.64 U2.65 U2.66 U2.67 U2.68 U2.69 U2.70 U2.71 U2.72 U2.73 U2.74 U2.75 U2.76 U2.77 U2.78 U2.79 U2.80 U2.81 U2.82 U2.83 U2.84 U2.85 U2.86 U2.87 U2.88 U2.89 U2.90 U2.91 U2.92 U2.93 U2.94 U2.95 U2.96 U2.97 U2.98 U2.99 U2.100 U2_1.1 U2_1.2 U2_1.3 U2_1.4 U2_1.5 U2_1.6 U2_1.7 U2_1.8 U2_1.9 U2_1.10 U2_1.11 U2_1.12 U2_1.13 U2_1.14 U2_1.15 U2_1.16 U2_1.17 U2_1.18 U2_1.19 U2_1.20 U2_1.21 U2_1.22 U2_1.23 U2_1.24 U2_1.25 U2_1.26 U2_1.27 U2_1.28 U2_1.29 U2_1.30 U2_1.31 U2_1.32 U2_1.33 U2_1.34 U2_1.35 U2_1.36 U2_1.37 U2_1.38 U2_1.39 U2_1.40 U2_1.41 U2_1.42 U2_1.43 U2_1.44 U2_1.45 U2_1.46 U2_1.47 U2_1.48 U2_1.49 U2_1.50 U2_1.51 U2_1.52 U2_1.53 U2_1.54 U2_1.55 U2_1.56 U2_1.57 U2_1.58 U2_1.59 U2_1.60 U2_1.61 U2_1.62 U2_1.63 U2_1.64 U2_1.65 U2_1.66 U2_1.67 U2_1.68 U2_1.69 U2_1.70 U2_1.71 U2_1.72 U2_1.73 U2_1.74 U2_1.75 U2_1.76 U2_1.77 U2_1.78 U2_1.79 U2_1.80 U2_1.81 U2_1.82 U2_1.83 U2_1.84 U2_1.85 U2_1.86 U2_1.87 U2_1.88 U2_1.89 U2_1.90 U2_1.91 U2_1.92 U2_1.93 U2_1.94 U2_1.95 U2_1.96 U2_1.97 U2_1.98 U2_1.99 U2_1.100 USR-C1.1 USR-C1.2 USR-C1.3 USR-C1.4 USR-C1.5 USR-C1.6 USR-C1.7 USR-C1.8 USR-C1.9 USR-C1.10 USR-C1_1.1 USR-C1_1.2 USR-C1_1.3 USR-C1_1.4 USR-C1_1.5 USR-C1_1.6 USR-C1_1.7 USR-C1_1.8 USR-C1_1.9 USR-C1_1.10 X_A1.1 X_A1.2 X_A1.3 X_A1.4 X_A1_1.1 X_A1_1.2 X_A1_1.3 X_A1_1.4 X_B1.1 X_B1.2 X_B1.3 X_B1.4 X_B1_1.1 X_B1_1.2 X_B1_1.3 X_B1_1.4